# Allegro board WARP7_CPU_REV10_20151109_1600.brd (continued)
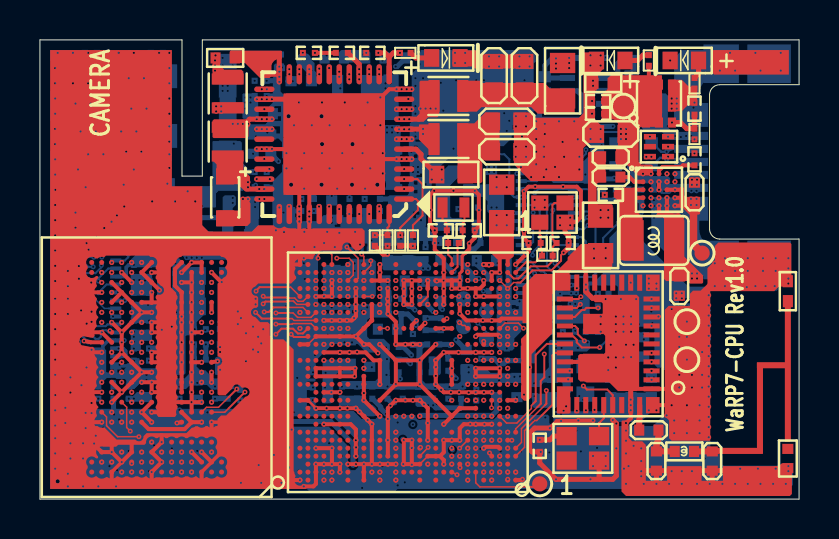
[diagram p0: board, top side]
## Copper pours and planes (outline as drawn; the poured copper is in the pictures) (continued)
GND on ART04 (solid shape): 17.14,13.86 17.37,13.72 17.62,13.81 17.65,13.85 17.94,13.55 17.93,13.43 17.91,13.41 17.83,13.33 17.8,13.21 17.81,13.18 17.69,13.1 17.67,13.11 17.31,12.63 17.85,12.88 17.85,12.91 17.95,13.01 18.01,12.99 18.11,12.89 18.11,11.53 18.82,10.82 18.82,10.16 19.61,9.37 19.61,9.06 19.61,9.02 19.54,8.94 19.52,8.94 19.34,8.85 19.25,8.66 19.25,8.64 19.17,8.56 19.15,8.56 19.08,8.55 19.01,8.53 18.98,8.51 18.86,8.59 18.86,8.87 18.95,8.95 18.98,8.94 19.33,9.27 18.93,9.54 18.9,9.53 18.34,10.09 18.34,10.26 18.05,10.55 18.04,10.57 18.03,10.64 17.99,10.7 17.99,10.8 18.03,11.04 17.82,11.18 17.8,11.18 17.72,11.26 17.72,11.29 17.7,11.4 17.65,11.5 17.69,11.86 17.36,12.01 17.33,12 16.89,12.45 16.76,12.45 16.76,12.75 16.73,12.94 16.62,13.09 16.18,13.54 16.21,13.67 16.24,13.68 16.31,13.72 16.37,13.78 16.38,13.79 16.5,13.8 16.51,13.79 16.76,13.72 16.97,13.86 16.99,13.88 17.13,13.88
GND on ART04 (solid shape): outline of 239 points within 0.51,0.51 6.6,22.49
GND on ART04 (solid shape): outline of 741 points within 8.64,16.97 37.49,22.49
GND on ART04 (solid shape): outline of 851 points within 16.76,4.64 22.35,14.43
GND on GND05 (solid shape): outline of 8611 points within 0.51,0.51 37.69,22.49
GND on POWER06 (solid shape): 37.47,12.32 37.47,10.92 37.08,10.92 36.96,10.79 36.96,10.56 36.83,10.44 33.69,10.44 33.69,12.23 33.98,12.52 37.27,12.52
GND on POWER06 (solid shape): 6.6,15.87 6.17,15.44 5.81,15.44 5.3,14.94 4.98,14.94 4.78,15.14 4.78,15.36 5.03,15.62 5.03,15.79 5.14,15.87 5.16,15.86 5.56,16.15 5.16,16.44 5.14,16.44 5.03,16.52 5.03,20.97 5.92,21.86 5.92,22.32 6.1,22.49 6.6,22.49
GND on POWER06 (solid shape): outline of 141 points within 0.51,11.94 5.1,22.49
GND on POWER06 (solid shape): 17.78,6.1 17.78,4.8 17.68,4.72 17.66,4.72 17.54,4.72 17.43,4.67 17.41,4.66 17.33,4.68 17.33,4.7 17.15,4.89 16.88,4.89 16.7,4.7 16.7,4.42 16.55,4.35 16.53,4.37 16.34,4.45 16.15,4.38 16.14,4.37 16.07,4.37 16.06,4.38 15.86,4.45 15.67,4.37 15.66,4.35 15.59,4.35 15.57,4.37 15.37,4.45 15.16,4.37 15.15,4.35 15.08,4.35 15.06,4.37 14.68,4.38 14.58,4.01 14.6,3.98 14.54,3.9 14.18,3.9 14.13,3.96 14.14,3.99 13.84,4.37 13.55,3.99 13.55,3.96 13.5,3.9 11.55,3.9 11.06,3.4 8.81,3.4 8.65,3.56 8.65,4.1 9.65,5.11 9.65,5.53 9.8,5.59 9.82,5.57 10.07,5.49 10.29,5.63 10.35,5.67 10.43,5.66 10.49,5.63 10.55,5.62 10.86,5.77 10.83,6.11 10.81,6.13 10.85,6.22 17.65,6.22
GND on POWER06 (solid shape): outline of 622 points within 0.51,0.51 37.47,8.32
GND on POWER06 (solid shape): outline of 641 points within 24,15.37 37.21,22.49
GND on POWER06 (solid shape): outline of 932 points within 18.39,7.04 30.66,13.59
GND on POWER07 (solid shape): 20.65,11.91 20.85,11.76 20.86,11.64 20.84,11.62 20.78,11.28 21.08,11.1 21.1,11.1 21.18,11.02 21.18,10.15 21.08,10.07 21.06,10.07 20.79,10.02 20.68,9.77 20.68,9.74 20.57,9.66 20.48,9.68 20.38,9.66 20.38,9.66 20.31,9.66 20.09,9.88 20.09,11.03 19.89,11.23 19.89,11.25 19.86,11.38 19.79,11.48 19.79,11.5 20.02,11.73 20.02,11.96 20.19,12.14 20.42,12.14
GND on POWER07 (solid shape): 15.72,11.09 15.72,9.45 15.39,9.12 15.37,9.09 15.37,4.45 15.32,4.44 15.24,4.42 15.16,4.37 15.15,4.35 15.08,4.35 15.06,4.37 14.64,4.35 14.64,3.92 14.64,3.85 14.48,3.68 14.11,3.68 14.04,3.83 14.07,3.85 13.96,4.35 13.54,4.08 13.54,4.05 13.39,3.99 13.08,4.3 13.08,13.51 13.13,13.56 13.25,13.56
GND on POWER07 (solid shape): outline of 514 points within 8.64,15.31 37.49,22.49
GND on POWER07 (solid shape): outline of 1322 points within 0.51,0.51 37.69,22.49
GND on GND08 (solid shape): outline of 8019 points within 0.51,0.38 37.69,22.49
GND on ART09 (solid shape): 12.83,16.49 12.94,16.51 13,16.42 13,15.72 12.5,15.21 12.5,14.5 12.05,14.06 11.84,14.06 11.74,14.12 11.77,14.23 12.34,14.81 12.34,16
GND on ART09 (solid shape): 4.01,2.94 4.41,2.94 5.48,1.88 6.52,1.88 6.88,1.52 13.29,1.52 13.38,1.46 13.37,1.36 13.35,1.32 7.62,1.32 7.49,1.2 5.1,1.2 3.99,2.31 3.99,2.61 2.1,4.51 2.1,4.58 2.18,4.67 2.27,4.67
GND on ART09 (solid shape): 7.01,12.24 7.09,12.21 7.11,12.13 7.21,11.9 7.44,11.89 7.47,11.89 7.59,11.86 7.72,11.89 7.74,11.89 7.77,11.87 7.81,11.87 7.89,11.8 7.86,11.69 7.8,11.63 7.1,11.63 7.02,11.67 7,11.76 6.78,12.04 6.56,11.76 6.54,11.67 6.46,11.63 3.91,11.63 3.88,11.66 3.86,11.77 3.95,11.84 5.76,11.84 6.17,12.24
GND on ART09 (solid shape): 32.93,16.31 32.98,16.32 33.01,16.28 33.01,14.99 33,14.95 32.96,14.94 31.46,14.94 31.3,14.77 31.28,14.76 31.17,14.75 31.1,14.72 31.01,14.71 30.95,14.77 30.93,14.8 30.92,14.83 30.93,14.85 30.96,14.96 30.95,15.06 30.94,15.13 30.99,15.19 31.09,15.29 31.11,15.43 31.14,15.51 31.21,15.54 31.73,15.54 31.76,15.53 31.78,15.5 32.18,15.37 31.98,15.75 31.97,15.75 31.95,15.75 31.9,15.8 31.85,15.8 31.8,15.83 31.81,15.89 31.88,15.95 31.89,15.95 32,16.01 32.07,16.12 32.08,16.13 32.1,16.15 32.37,16.15 32.39,16.14 32.4,16.13 32.64,16.02 32.83,16.2 32.83,16.22
GND on ART09 (solid shape): outline of 146 points within 3.1,1.77 15.55,6.52
GND on ART09 (solid shape): outline of 140 points within 28.29,0.51 37.69,12.77
GND on ART09 (solid shape): outline of 418 points within 9.22,14.66 13.41,20.29
GND on ART09 (solid shape): outline of 1014 points within 8.64,14.37 37.49,22.49
GND on ART09 (solid shape): outline of 3974 points within 0.51,0.38 30.93,22.49
GND_SR_PVSS on BOTTOM (solid shape): 30.86,5.28 30.86,4.65 30.07,3.86 25.73,3.86 25.7,3.89 25.7,4.34 25.76,4.39 28.09,4.39 28.32,4.62 28.32,5.31 28.35,5.33 30.81,5.33
PGND on TOP (solid shape): 28.32,17.35 28.32,15.93 28.27,15.88 27.97,15.88 27.87,15.78 27.93,14.77 28.61,14.77 28.68,14.71 28.68,13.72 28.6,13.64 27.48,13.64 27.43,13.69 27.43,17.35 27.48,17.4 28.27,17.4
PGND on ART02 (solid shape): 30.53,14.86 30.56,14.85 30.61,14.85 30.71,14.76 30.71,14.53 30.59,14.41 30.59,13.34 32,11.92 32,10.92 32.33,10.59 32.33,10.03 32.21,9.91 31.52,9.91 31.15,10.28 31.15,10.87 30.61,11.41 30.5,11.41 27.94,13.97 27.94,14.73 28.07,14.86
VBAT on TOP (solid shape): 32.23,15.6 32.23,15.24 32.33,15.14 32.99,15.14 33.05,15.09 33.05,14.3 32.99,14.25 32.51,14.25 32,14.76 32,15.58 32.05,15.62 32.21,15.62
VBAT on BOTTOM (solid shape): 25.24,10.95 25.44,10.82 25.67,10.9 25.74,10.9 25.9,10.85 26.07,10.9 26.16,10.9 26.17,10.89 26.17,10.26 26.16,10.26 26.16,9.98 26.09,9.91 24.79,9.91 24.63,10.07 24.63,10.91 24.77,10.98 25.22,10.98
VBAT on ART02 (solid shape): 32.33,15.62 32.51,15.44 32.77,15.44 32.84,15.42 32.92,15.42 32.99,15.34 32.99,14.63 32.84,14.48 31.83,14.48 31.66,14.64 31.66,15.58 31.7,15.62
VBAT on GND08 (solid shape): 31.91,15.31 32,15.29 32.1,15.31 32.11,15.32 32.3,15.32 32.51,15.11 32.51,13.84 32.33,13.67 31.6,13.67 31.45,13.82 31.45,14.47 31.45,14.53 31.45,14.59 31.45,14.65 31.53,14.86 31.45,15.07 31.45,15.21 31.55,15.32 31.9,15.32
VBAT on ART09 (solid shape): outline of 184 points within 25.91,9.17 33.02,14.73
VDD_ARM_IN on BOTTOM (solid shape): 15.77,6.91 15.77,6.38 15.7,6.3 14.88,6.3 14.68,6.1 14.68,4.9 14.58,4.8 14.2,4.8 14.15,4.85 14.15,6.81 14.33,6.99 15.7,6.99
VDD_ARM_IN on ART02 (solid shape): 16.76,3.75 16.76,3.68 16.69,3.61 16.42,3.61 16.33,3.7 16.03,3.7 15.65,4.08 13.98,4.08 13.72,4.34 13.72,4.62 13.8,4.71 15.8,4.71
VDD_ARM_IN on ART02 (solid shape): 15.64,2.01 15.82,1.92 15.99,2.01 17.83,2.01 17.96,1.88 17.96,1.65 17.91,1.6 15.32,1.6 15.24,1.68 15.24,1.71 15.24,1.75 15.24,1.79 15.24,1.93 15.32,2.01
VDD_ARM_IN on GND03 (solid shape): 16.74,4.01 16.74,3.66 16.66,3.58 16.13,3.58 15.67,4.04 15.67,4.56 15.77,4.66 16.09,4.66
VDD_ARM_IN on GND03 (solid shape): 18.03,2.29 18.03,1.92 17.96,1.78 18,1.62 18,1.62 17.96,1.57 17.86,1.57 17.81,1.58 17.77,1.57 17.61,1.57 17.51,1.6 17.41,1.6 17.31,1.6 17.22,1.57 17.06,1.57 17.01,1.58 16.97,1.57 16.82,1.57 16.69,1.6 16.56,1.57 16.48,1.57 16.21,1.85 16.21,2.26 16.26,2.31 17.09,2.31 17.1,2.27 17.38,2.03 17.69,2.24 17.69,2.25 17.77,2.32 17.79,2.32 17.84,2.32 17.9,2.34 17.98,2.34
VDD_ARM_IN on POWER07 (solid shape): outline of 198 points within 15.52,3.84 20.62,16.61
VDD_ARM_IN on GND08 (solid shape): 18.08,2.67 18.08,1.93 18.06,1.91 16.46,1.91 16.18,2.18 16.18,2.32 17.09,2.32 17.1,2.28 17.11,2.23 17.13,2.18 17.16,2.14 17.2,2.11 17.24,2.08 17.28,2.06 17.33,2.04 17.37,2.03 17.42,2.03 17.47,2.04 17.52,2.06 17.56,2.08 17.6,2.11 17.64,2.14 17.66,2.18 17.69,2.23 17.7,2.28 17.7,2.32 17.7,2.37 17.69,2.42 17.68,2.47 17.65,2.51 17.62,2.55 17.58,2.58 17.54,2.61 17.5,2.63 17.45,2.64 17.4,2.64 17.35,2.64 17.3,2.63 17.26,2.61 17.22,2.58 17.18,2.55 17.15,2.51 17.12,2.47 17.11,2.42 17.1,2.37 17.09,2.32 16.18,2.32 16.18,2.67 16.31,2.79 17.96,2.79
VDD_ARM_IN on ART09 (solid shape): outline of 97 points within 14.15,2.39 17.04,6.59
VDD_SOC_IN on TOP (solid shape): 26.77,22.28 26.77,21.41 26.72,21.36 25.6,21.36 25.55,21.41 25.55,22.3 25.58,22.33 26.72,22.33
VDD_SOC_IN on GND03 (solid shape): 22.22,6.72 22.28,6.73 22.55,6.73 22.61,6.72 22.68,6.73 22.95,6.73 22.99,6.72 23.05,6.72 23.14,6.63 23.14,6.07 23.07,6 23,6.01 22.93,5.99 21.77,5.99 21.74,6.02 21.74,6.6 21.8,6.66 21.99,6.66 22.07,6.73 22.15,6.73
VDD_SOC_IN on POWER06 (solid shape): outline of 389 points within 18.06,4.04 23.77,8.36
VDD_SOC_IN on POWER07 (solid shape): outline of 1345 points within 21.62,4.32 28.35,22.17
VDDA_1P8_IN on TOP (solid shape): 23.72,14.43 23.72,12.17 23.65,12.1 23.59,12.06 23.54,12.01 22.89,12.01 22.84,12.05 22.48,12.42 22.48,14.4 22.56,14.48 23.67,14.48
VDDA_1P8_IN on BOTTOM (solid shape): 23.24,15.62 23.24,14.48 23.05,14.29 22.5,14.29 22.4,14.39 22.4,14.92 22.19,15.14 21.21,15.14 21.18,15.16 21.18,15.72 21.22,15.76 23.1,15.76
VDDA_1P8_IN on ART02 (solid shape): 23.55,14.27 23.55,11.91 23.11,11.48 23.11,11.25 23.06,11.2 22.53,11.2 22.45,11.28 22.45,11.38 22.63,11.56 22.63,11.56 22.71,11.73 22.63,11.91 22.63,14.22 22.73,14.33 23.5,14.33
VDDA_1P8_IN on GND08 (solid shape): 23.39,14.38 23.39,13.34 23.32,13.26 22.71,13.26 22.43,13.54 22.43,14.71 22.5,14.78 22.99,14.78
VDDD_1P0_CAP on BOTTOM (solid shape): 18.82,12.17 19.43,12.17 19.43,11.81 19.58,11.66 19.58,11.51 19.53,11.46 17.22,11.46 17.14,11.53 17.14,12.14 17.2,12.19 18.8,12.19
DRAM_VDD1 on BOTTOM (solid shape): 7.32,13.31 7.32,12.8 7.34,12.78 9.6,12.78 9.65,12.73 9.65,12.14 9.5,11.99 7.34,11.99 7.09,12.24 6.32,12.24 6.2,12.37 6.2,13.34 6.25,13.39 7.24,13.39
DRAM_VDD1 on POWER07 (solid shape): 8.23,12.19 8.23,11.63 7.75,11.15 7.29,11.15 7.14,11.3 7.14,12.17 7.21,12.24 8.18,12.24
NVCC_3V15 on BOTTOM (solid shape): 16.33,5.13 16.33,4.78 16.38,4.72 16.66,4.72 16.84,4.54 16.84,4.24 16.74,4.14 16.15,4.14 15.62,4.67 14.99,4.67 14.96,4.7 14.96,5.16 14.99,5.18 16.28,5.18
NVCC_3V15 on POWER07 (solid shape): outline of 161 points within 19.08,4.06 21.36,6.76
NVCC_DRAM on TOP (solid shape): 12.12,22.43 12.12,22.07 12.07,22.03 12.05,22.04 11.76,21.98 11.6,21.73 11.59,21.7 11.59,21.18 11.5,21.09 11.01,21.09 10.26,21.84 9.53,21.84 9.5,21.87 9.5,22.43 9.54,22.47 12.08,22.47
NVCC_DRAM on BOTTOM (solid shape): 5.61,11.25 5.61,10.24 5.56,10.19 4.6,10.19 4.55,10.24 4.55,11.23 4.6,11.28 5.59,11.28
NVCC_DRAM on BOTTOM (solid shape): 16.81,11.91 16.81,10.19 16.71,10.08 14.25,10.08 14.17,10.16 14.17,11.63 14.22,11.68 15.24,11.68 15.57,12.01 16.71,12.01
NVCC_DRAM on BOTTOM (solid shape): 5.61,8.41 5.61,7.98 5.56,7.92 5.08,7.92 5.05,7.9 5.05,7.44 5.03,7.42 4.57,7.42 4.55,7.44 4.55,8.43 4.6,8.48 5.54,8.48
NVCC_DRAM on BOTTOM (solid shape): 7.42,11.61 8.2,11.61 8.26,11.56 8.26,9.27 7.85,8.86 7.85,8.26 7.8,8.2 7.34,8.2 7.29,8.15 7.29,6.3 7.21,6.22 6.68,6.22 6.63,6.27 6.63,12.01 6.68,12.06 6.96,12.06
NVCC_DRAM on GND03 (solid shape): 7.26,9.19 7.26,6.71 7.11,6.55 6.63,6.55 6.45,6.73 6.45,8.94 6.78,9.27 7.19,9.27
NVCC_DRAM on GND03 (solid shape): 12.14,22.1 12.14,20.9 12.04,20.8 11.55,20.8 11.44,20.85 11.32,20.86 11.3,20.88 11.3,22.1 11.43,22.23 12.01,22.23
NVCC_DRAM on POWER06 (solid shape): outline of 480 points within 3.3,4.58 19.66,12.19
NVCC_DRAM on POWER07 (solid shape): outline of 289 points within 3.4,3.45 10.29,11.94
NVCC_DRAM on POWER07 (solid shape): outline of 973 points within 11.07,10.67 18.11,22.17
NVCC_DRAM on GND08 (solid shape): 17.63,11.86 17.63,11.13 17.58,11.07 15.67,11.07 15.6,11.15 15.6,11.89 15.65,11.94 17.55,11.94
PMIC_5V0 on TOP (solid shape): 10.48,15.1 10.48,14.95 10.54,14.8 10.54,13.84 10.38,13.68 8.9,13.68 8.84,13.74 8.84,14.4 8.89,14.45 9.91,14.45 10.03,14.58 10.03,15.09 10.08,15.14 10.44,15.14
PMIC_5V0 on BOTTOM (solid shape): 10.95,15.11 10.95,12.67 10.92,12.65 10.31,12.65 10.26,12.7 10.26,15.09 10.34,15.16 10.9,15.16
PMIC_5V0 on ART02 (solid shape): 10.41,15.19 10.52,15.19 10.54,15.16 10.54,14.94 10.49,14.88 9.88,14.88 8.84,15.93 8.84,16.08 9.12,16.36 9.24,16.36
PMIC_5V0 on POWER06 (solid shape): 9.21,16.48 9.21,15.4 8.3,14.49 6.16,14.49 2.43,10.75 2.21,10.54 2.21,8.71 1.91,8.41 1.45,8.41 1.35,8.51 1.35,10.69 5.89,15.24 8.2,15.24 8.64,15.67 8.64,16.56 8.81,16.73 8.96,16.73
PMIC_5V0 on POWER07 (solid shape): 9.81,16 9.81,15.54 9.83,15.16 10.21,15.1 10.22,15.11 10.86,15.11 10.87,15.1 11.15,15.09 11.32,15.3 11.33,15.34 11.91,15.34 12.09,15.16 12.09,14.25 11.73,13.89 9.58,13.89 8.64,14.83 8.64,16.48 8.81,16.66 9.14,16.66
PMIC_PWR on TOP (solid shape): 10.52,18.9 10.52,18.69 10.44,18.62 10.44,18.16 10.36,18.08 8.69,18.08 8.64,18.14 8.64,18.95 8.71,19.02 10.39,19.02
PMIC_PWR on TOP (solid shape): 31.39,14.31 31.49,14.33 31.69,14.33 31.79,14.31 31.89,14.33 32,14.33 32.23,14.1 32.23,12.17 33.2,11.2 33.2,10.85 33.15,10.79 32.54,10.79 32.41,10.92 31.34,10.92 31.24,11.02 31.24,14.05 31.19,14.1 30.89,14.1 30.84,14.15 30.84,14.24 30.93,14.32 30.95,14.31 31.02,14.31 31.09,14.33 31.29,14.33
PMIC_PWR on BOTTOM (solid shape): 13.74,21.84 13.74,21.46 13.82,21.39 13.82,20.78 13.77,20.73 13.39,20.73 13.34,20.78 13.34,21.39 12.85,21.87 12.85,22.12 12.98,22.25 13.34,22.25
PMIC_PWR on BOTTOM (solid shape): 18.03,18.72 18.03,15.54 17.98,15.49 17.27,15.49 17.25,15.51 17.32,15.79 17.2,16.05 17.2,18.69 17.23,18.73 18.02,18.73
PMIC_PWR on ART02 (solid shape): 11.06,19.38 11.23,19.3 11.41,19.38 11.71,19.38 11.76,19.33 11.76,18.95 11.68,18.87 10.69,18.87 10.53,18.72 9.55,18.72 9.53,18.75 9.53,19.36 9.55,19.38
PMIC_PWR on ART02 (solid shape): 31.53,15.2 31.53,14.4 33.22,12.71 33.22,11 33.15,10.92 32.28,10.92 32.21,11 32.21,12.14 30.85,13.5 30.85,14.8 30.92,14.86 31.16,14.92 31.22,15.17 31.29,15.24 31.5,15.24
PMIC_PWR on GND03 (solid shape): 10.58,19.43 10.66,19.31 10.79,19.24 10.85,19.18 11.68,19.18 11.81,19.05 11.81,18.29 11.68,18.16 10.36,18.16 10.28,18.26 10.28,18.28 10.13,18.6 9.78,18.57 9.77,18.56 9.66,18.56 9.65,18.57 9.49,18.64 9.32,18.62 9.25,18.62 9.17,18.69 9.17,19.33 9.27,19.43
PMIC_PWR on POWER06 (solid shape): outline of 1913 points within 9.21,11.05 32.99,22.45
PMIC_PWR on GND08 (solid shape): 18.03,19.66 18.03,17.88 17.96,17.81 16.79,17.81 16.71,17.88 16.71,19.56 16.92,19.76 17.93,19.76
PMIC_PWR on GND08 (solid shape): 10.47,20.27 10.5,20.25 10.55,20.21 10.6,20.18 10.67,20.15 10.67,19.76 10.65,19.74 10.62,19.7 10.6,19.66 10.58,19.62 10.57,19.57 10.57,19.52 10.57,19.47 10.58,19.43 10.6,19.38 10.62,19.36 10.62,19.1 10.44,18.92 9.14,18.92 9.02,19.05 9.02,19.5 9.02,19.51 9.02,19.74 9.4,19.74 9.4,19.69 9.41,19.64 9.43,19.59 9.46,19.55 9.49,19.52 9.53,19.48 9.57,19.46 9.62,19.44 9.67,19.43 9.72,19.43 9.76,19.44 9.81,19.45 9.86,19.47 9.9,19.5 9.93,19.53 9.96,19.57 9.98,19.62 10,19.66 10.01,19.71 10.01,19.76 10,19.81 9.98,19.86 9.96,19.9 9.93,19.94 9.9,19.97 9.86,20 9.81,20.02 9.76,20.04 9.72,20.04 9.67,20.04 9.62,20.03 9.57,20.01 9.53,19.99 9.49,19.96 9.46,19.92 9.43,19.88 9.41,19.83 9.4,19.78 9.4,19.74 9.02,19.74 9.02,19.89 9.27,20.14 9.56,20.14 9.69,20.27
PMIC_PWR on ART09 (solid shape): outline of 109 points within 23.83,17.4 27.18,19
PSU_5V0 on TOP (solid shape): 31.14,21.21 31.14,18.67 31.11,18.64 30.07,18.64 29.97,18.54 29.97,16.94 29.97,16.94 29.97,16.89 30.11,16.76 30.61,16.76 30.68,16.68 30.68,16.26 30.63,16.21 29.92,16.21 29.41,16.71 28.91,16.71 28.83,16.79 28.83,17.6 28.93,17.7 28.93,18.82 28.74,19.01 28.16,19.01 28.12,19.05 28.12,20.24 28.42,20.55 28.42,21.08 28.57,21.23 31.11,21.23
PSU_5V0 on ART02 (solid shape): 30,18.44 30,17.12 30.2,16.92 30.73,16.92 30.81,16.84 30.81,16.23 30.73,16.15 29.51,16.15 28.83,16.84 28.83,18.59 28.91,18.67 29.77,18.67
SW1A_1V15 on TOP (solid shape): 23.01,19.28 23.01,17.07 22.94,16.99 22.28,16.99 22.15,16.87 22.15,15.9 22.07,15.82 20.95,15.82 20.9,15.88 20.9,18.8 20.93,18.82 21.74,18.82 22.28,19.35 22.94,19.35
SW1ALX on TOP (solid shape): 19.99,18.72 19.99,17.32 19.94,17.27 19.52,17.27 19.52,17.46 19,17.97 18.98,18 18.98,18.41 18.99,18.54 18.97,18.66 18.97,18.74 19,18.77 19.94,18.77
SW1B_1V15 on TOP (solid shape): 22.16,20.84 25.26,20.84 25.55,20.55 26.72,20.55 26.77,20.5 26.77,19.38 26.7,19.3 24.92,19.3 24.59,19.63 22.1,19.63 21.87,19.41 20.95,19.41 20.9,19.46 20.9,20.88 20.98,20.95 22.05,20.95
SW1BLX on TOP (solid shape): 19.99,20.9 19.99,19.23 19.89,19.13 19.43,19.13 19.2,18.9 18.92,18.9 18.87,18.95 18.87,19.18 19,19.3 19,20.9 19.05,20.95 19.94,20.95
SW1BLX on ART02 (solid shape): 19.96,19.61 19.96,19.02 19.86,18.92 19.38,18.92 19.08,18.92 19,18.85 17.91,18.85 17.83,18.92 17.83,19.17 17.86,19.2 17.92,19.21 17.98,19.22 18.11,19.2 18.23,19.22 18.36,19.2 18.49,19.22 18.84,19.29 18.93,19.64 18.97,19.68 19.89,19.68
SW2_1V8 on BOTTOM (solid shape): 17.93,21.13 17.93,19.05 17.88,19 17.3,19 16.64,19.66 16.15,19.66 16.08,19.74 16.08,21.16 16.13,21.21 17.86,21.21
SW2_1V8 on BOTTOM (solid shape): 9.8,15.14 9.8,14.73 9.65,14.58 9.65,13.36 9.63,13.34 9.19,13.34 9.14,13.39 9.14,15.11 9.25,15.21 9.73,15.21
SW2_1V8 on BOTTOM (solid shape): 21.72,16.66 21.72,16.31 21.67,16.26 21.08,16.26 20.54,15.71 20.54,14.16 20.62,14.07 21.08,14.07 21.11,14.05 21.11,13.49 21.06,13.44 19.86,13.44 19.81,13.49 19.81,16.08 20.45,16.71 21.67,16.71
SW2_1V8 on GND03 (solid shape): 16.15,21.64 16.15,21.33 16.15,21.28 16.15,21.23 16.15,21.11 16.26,21.01 16.3,21.01 16.42,20.95 16.56,20.96 16.71,20.96 16.74,20.93 16.74,20.5 16.69,20.45 16,20.45 15.8,20.65 15.8,21.62 15.85,21.67 16.13,21.67
SW2_1V8 on POWER06 (solid shape): outline of 125 points within 18.57,11.94 23.44,16.13
SW2_1V8 on POWER07 (solid shape): outline of 181 points within 14.37,13.18 23.37,22.1
SW3_1V2 on TOP (solid shape): 9.02,22.3 9.02,21.72 9.22,21.51 10.08,21.51 10.19,21.41 10.19,20.85 10.11,20.78 8.66,20.78 8.64,20.8 8.64,22.3 8.69,22.35 8.97,22.35
SW3_1V2 on BOTTOM (solid shape): 9.8,20.75 9.8,18.8 9.7,18.69 9.04,18.69 8.99,18.75 8.99,20.78 9.04,20.83 9.73,20.83
SW3_1V2 on GND03 (solid shape): 9.6,22.35 9.6,20.88 9.5,20.78 8.71,20.78 8.64,20.85 8.64,22.33 8.71,22.4 9.55,22.4
SW3LX on ART02 (solid shape): 9.32,19.76 9.32,18.62 9.42,18.52 10.62,18.52 10.77,18.67 11.71,18.67 11.76,18.62 11.76,17.98 11.66,17.88 8.71,17.88 8.64,17.96 8.64,19.84 9.25,19.84
SWBSTLX on TOP (solid shape): 10.19,17.37 10.19,16.48 10.52,16.15 10.52,15.47 10.46,15.42 10.26,15.42 9.91,15.77 8.89,15.77 8.84,15.82 8.84,16.76 8.64,16.97 8.64,17.37 8.69,17.42 10.13,17.42
USB_OTG_VBUS on TOP (solid shape): 32.46,20.68 32.87,20.68 32.89,20.65 32.89,19.74 32.87,19.71 32.41,19.71 32.13,19.43 31.5,19.43 31.45,19.48 31.45,20.98 31.47,21.01 32.13,21.01
USB_OTG_VBUS on BOTTOM (solid shape): 31.43,20.21 31.43,18.75 31.2,18.52 30.2,18.52 30.1,18.62 30.1,19.7 30.18,19.77 30.76,19.77 30.76,20.32 31.32,20.32
USB_OTG_VBUS on GND03 (solid shape): 32,20.4 32,19.35 31.93,19.28 31.81,19.24 31.72,19.17 31.71,19.16 31.45,19.07 31.36,18.97 29.95,18.97 29.9,19.02 29.9,20.4 30.07,20.57 31.83,20.57
USB_OTG_VBUS on POWER07 (solid shape): outline of 156 points within 28.45,10.03 33.07,20.19
USB_OTG_VBUS on GND08 (solid shape): 31.04,19.94 31.04,19.13 30.67,18.76 30.01,18.76 29.92,18.85 29.92,19.94 30.02,20.04 30.94,20.04
USB_OTG_VBUS on ART09 (solid shape): outline of 109 points within 30.07,16.36 32.71,19.58
USB_OTG_VBUS on ART09 (solid shape): outline of 174 points within 20.45,0.76 33.14,10.69
N16918299 on TOP (solid shape): 29.81,15.58 29.81,15.44 29.85,15.32 29.85,15.27 29.81,15.05 29.9,14.85 29.9,14.4 30.18,14.12 30.18,12.04 30.1,11.96 29.03,11.96 28.98,12.01 28.98,14.88 28.75,15.11 28.75,15.54 28.8,15.6 29.79,15.6
N17049476 on BOTTOM (solid shape): 37.49,21.26 34.03,21.26 33.31,20.97 33.01,20.25 33.01,18.67 31.88,18.67 31.75,18.8 31.75,22.1 32.14,22.49 37.49,22.49
N17049476 on BOTTOM (solid shape): 33.01,13.53 33.31,12.82 34.03,12.52 37.34,12.52 37.34,11.18 32.49,11.18 30.61,13.06 30.61,15.09 30.63,15.11 33.01,15.11
N17049476 on POWER07 (solid shape): outline of 479 points within 30.35,12.95 33.04,20.19
N17049476 on GND08 (solid shape): 30.91,15.04 30.91,13.21 30.84,13.13 30.56,13.13 30.4,13.28 30.4,14.82 30.51,14.93 30.56,15.07 30.56,15.11 30.84,15.11
N17049476 on GND08 (solid shape): 32.84,20.02 32.84,18.95 32.77,18.87 32.34,18.87 32.26,18.95 32.26,18.97 32.19,19.17 32.02,19.27 31.98,19.28 31.98,19.96 32.08,20.07 32.79,20.07
N17208031 on BOTTOM (solid shape): 28.83,6.53 28.83,5.92 28.75,5.84 28.19,5.84 27.71,6.32 26.95,6.32 26.87,6.4 26.87,6.99 26.92,7.04 28.32,7.04
N17502347 on TOP (solid shape): 37.59,2.9 37.29,2.9 37.29,6.55 36.2,6.55 36.2,2.26 33.63,2.26 33.56,2.28 33.5,2.33 33.5,2.5 33.56,2.55 33.63,2.57 35.89,2.57 35.89,6.55 35.89,6.86 37.29,6.86 37.29,9.88 37.59,9.88
GND on ART02 (solid shape): 18.76,3.05 18.76,2.72 18.82,2.66 18.83,2.64 18.82,2.63 18.83,2.54 18.86,2.46 18.87,2.35 18.78,2.3 18.63,2.3 18.05,2.88 18.04,2.9 18.04,2.92 18.04,3.01 18,3.09 17.98,3.15 18,3.21 18.04,3.29 18.04,3.38 18.07,3.46 18.14,3.49 18.32,3.49
GND on ART02 (solid shape): 5.84,8.85 5.93,8.85 5.96,8.84 5.99,8.84 6.75,8.84 6.78,8.86 6.81,8.88 6.85,8.86 6.86,8.85 6.86,8.83 6.89,8.75 6.94,8.68 6.98,8.6 6.94,8.53 6.89,8.45 6.86,8.36 6.83,8.3 6.76,8.27 5.42,8.27 5.35,8.3 5.32,8.36 5.3,8.45 5.24,8.53 5.21,8.6 5.24,8.68 5.3,8.76 5.32,8.85 5.35,8.92 5.42,8.95 5.75,8.95
GND on ART02 (solid shape): 4.34,7.24 4.59,7.13 4.84,7.24 4.92,7.2 4.94,7.18 4.98,7.1 4.86,6.85 4.98,6.6 4.94,6.53 4.87,6.28 5.07,6.13 5.14,6.09 5.17,6.02 5.17,5.78 5.15,5.76 4.53,5.76 4.32,5.97 4.29,5.98 4.24,6.03 4.21,6.1 4.32,6.35 4.21,6.6 4.32,6.85 4.21,7.1 4.24,7.18 4.27,7.2
GND on ART02 (solid shape): 15.77,7.87 15.8,7.87 15.82,7.85 16,7.68 16,7.67 16.05,7.59 16.14,7.54 16.15,7.53 16.44,7.24 16.45,7.18 16.4,7.15 16.32,7.15 16.31,7.16 16.03,7.08 16.05,6.79 16.07,6.75 16.05,6.71 16.04,6.69 16,6.67 15.96,6.69 15.86,6.76 15.75,6.78 15.66,6.81 15.64,6.9 15.54,7.14 15.28,7.13 15.22,7.11 15.15,7.13 15.09,7.17 15.01,7.18 14.94,7.21 14.91,7.28 14.91,7.39 15.04,7.52 15.05,7.52 15.11,7.54 15.15,7.57 15.22,7.59 15.28,7.57 15.51,7.54 15.64,7.73 15.64,7.74 15.74,7.83 15.75,7.86
GND on ART02 (solid shape): 22.8,4.42 23.01,4.32 23.18,4.39 23.22,4.4 23.27,4.35 23.25,4.31 23.19,4.12 23.3,3.95 23.32,3.93 23.32,3.91 23.32,3.89 23.29,3.86 23.29,3.86 23.01,3.58 22.99,3.58 22.8,3.43 22.85,3.19 22.87,3.15 22.81,3.1 22.62,3.18 22.41,3.09 22.36,3.15 22.38,3.19 22.39,3.5 22.08,3.53 22.02,3.51 21.82,3.58 21.62,3.51 21.55,3.53 21.48,3.57 21.39,3.58 21.3,3.63 21.3,3.73 21.41,3.9 21.42,3.92 21.44,3.92 21.5,3.94 21.55,3.97 21.62,3.99 21.82,3.92 22.02,3.99 22.21,3.92 22.41,3.99 22.48,3.97 22.79,4.01 22.76,4.33 22.74,4.36 22.76,4.4
GND on GND03 (solid shape): 16.61,22.43 16.61,22.32 16.48,22.19 16.29,22.12 16.18,21.95 15.67,21.95 15.44,22.19 15.13,22.09 15.05,22.05 14.97,22.09 14.74,22.2 14.5,22.09 14.42,22.06 14.35,22.09 14.11,22.2 13.88,22.09 13.8,22.05 13.72,22.09 13.67,22.14 13.61,22.17 13.59,22.18 13.49,22.33 13.48,22.44 13.57,22.49 16.55,22.49
GND on ART09 (solid shape): 20.12,14.05 20.37,14.05 20.45,14.01 20.47,13.94 20.48,13.87 20.5,13.82 20.5,13.79 20.5,13.77 20.48,13.72 20.47,13.67 20.44,13.59 20.37,13.56 19.25,13.56 18.89,13.92 18.88,13.95 18.88,13.98 18.9,14.05 19.15,14.3 19.87,14.3

Small or netless copper shapes (teardrops, artwork), in the pictures only: 2 on TOP, 10 on BOTTOM, 4 on ART02, 16 on GND03, 1 on POWER06, 1 on POWER07, 18 on GND08, 1 on ART09

## Text on the board
BOTTOM: ARTWORK BOTTOM
Board Geometry/Soldermask Bottom: SOLDERMASK BOTTOM
Package Geometry/Pastemask Bottom: PASTEMASK BOTTOM
Ref Des/Silkscreen Bottom: 1 | SILKSCREEN BOTTOM
TOP: ARTWORK TOP
Board Geometry/Soldermask Top: SOLDERMASK TOP
Package Geometry/Pastemask Top: PASTEMASK TOP
Ref Des/Silkscreen Top: WaRP7-CPU Rev1.0 | CAMERA | SILKSCREEN TOP
ART02: ARTWORK LAYER02
GND03: ARTWORK LAYER03
ART04: ARTWORK LAYER04
GND05: ARTWORK LAYER05
POWER06: ARTWORK LAYER06
POWER07: ARTWORK LAYER07
GND08: ARTWORK LAYER08
ART09: ARTWORK LAYER09
DIMENSION: FAB DRAWING
DEVICE_TYPE_BOTTOM: PRIMARY SIDE
COMPVAL_TYPE_TOP: SECONDARY SIDE
User.7: GROUND PLANE02
User.8: ARTWORK LAYER03
User.10: POWER PLANE05
User.11: GROUND PLANE06
User.12: ARTWORK LAYER07
User.13: ARTWORK LAYER08
User.14: GROUND PLANE09
User.27: FIGURE | SIZE | 4.0 | DRILL CHART: TOP to ART02 | ALL UNITS ARE IN MILS | PLATED | QTY | 251
User.28: FIGURE | SIZE | 8.0 | DRILL CHART: TOP to BOTTOM | ALL UNITS ARE IN MILS | PLATED | QTY | 9
User.29: FIGURE | SIZE | 4.0 | DRILL CHART: TOP to ART04 | ALL UNITS ARE IN MILS | PLATED | QTY | 271
User.30: FIGURE | SIZE | 4.0 | DRILL CHART: GND08 to BOTTOM | ALL UNITS ARE IN MILS | PLATED | QTY | 400
User.31: FIGURE | SIZE | 4.0 | DRILL CHART: TOP to GND03 | ALL UNITS ARE IN MILS | PLATED | QTY | 636
User.32: FIGURE | SIZE | 8.0 | DRILL CHART: GND03 to GND08 | ALL UNITS ARE IN MILS | PLATED | QTY | 362
User.33: FIGURE | SIZE | 4.0 | DRILL CHART: ART02 to GND03 | ALL UNITS ARE IN MILS | PLATED | QTY | 90
User.34: FIGURE | SIZE | 4.0 | DRILL CHART: ART02 to ART04 | ALL UNITS ARE IN MILS | PLATED | QTY | 31
User.35: FIGURE | SIZE | 4.0 | DRILL CHART: GND08 to ART09 | ALL UNITS ARE IN MILS | PLATED | QTY | 278
User.36: FIGURE | SIZE | 4.0 | DRILL CHART: ART09 to BOTTOM | ALL UNITS ARE IN MILS | PLATED | QTY | 96
User.38: FIGURE | SIZE | 4.0 | DRILL CHART: POWER07 to BOTTOM | ALL UNITS ARE IN MILS | PLATED | QTY | 229
User.39: FIGURE | SIZE | 4.0 | DRILL CHART: GND03 to ART04 | ALL UNITS ARE IN MILS | PLATED | QTY | 99
User.40: FIGURE | SIZE | 4.0 | DRILL CHART: POWER07 to GND08 | ALL UNITS ARE IN MILS | PLATED | QTY | 107
User.41: FIGURE | SIZE | 4.0 | DRILL CHART: POWER07 to ART09 | ALL UNITS ARE IN MILS | PLATED | QTY | 10
